# Altium PCB PCB_15122020_01CA.PcbDoc (part 2 of 5) (continued)
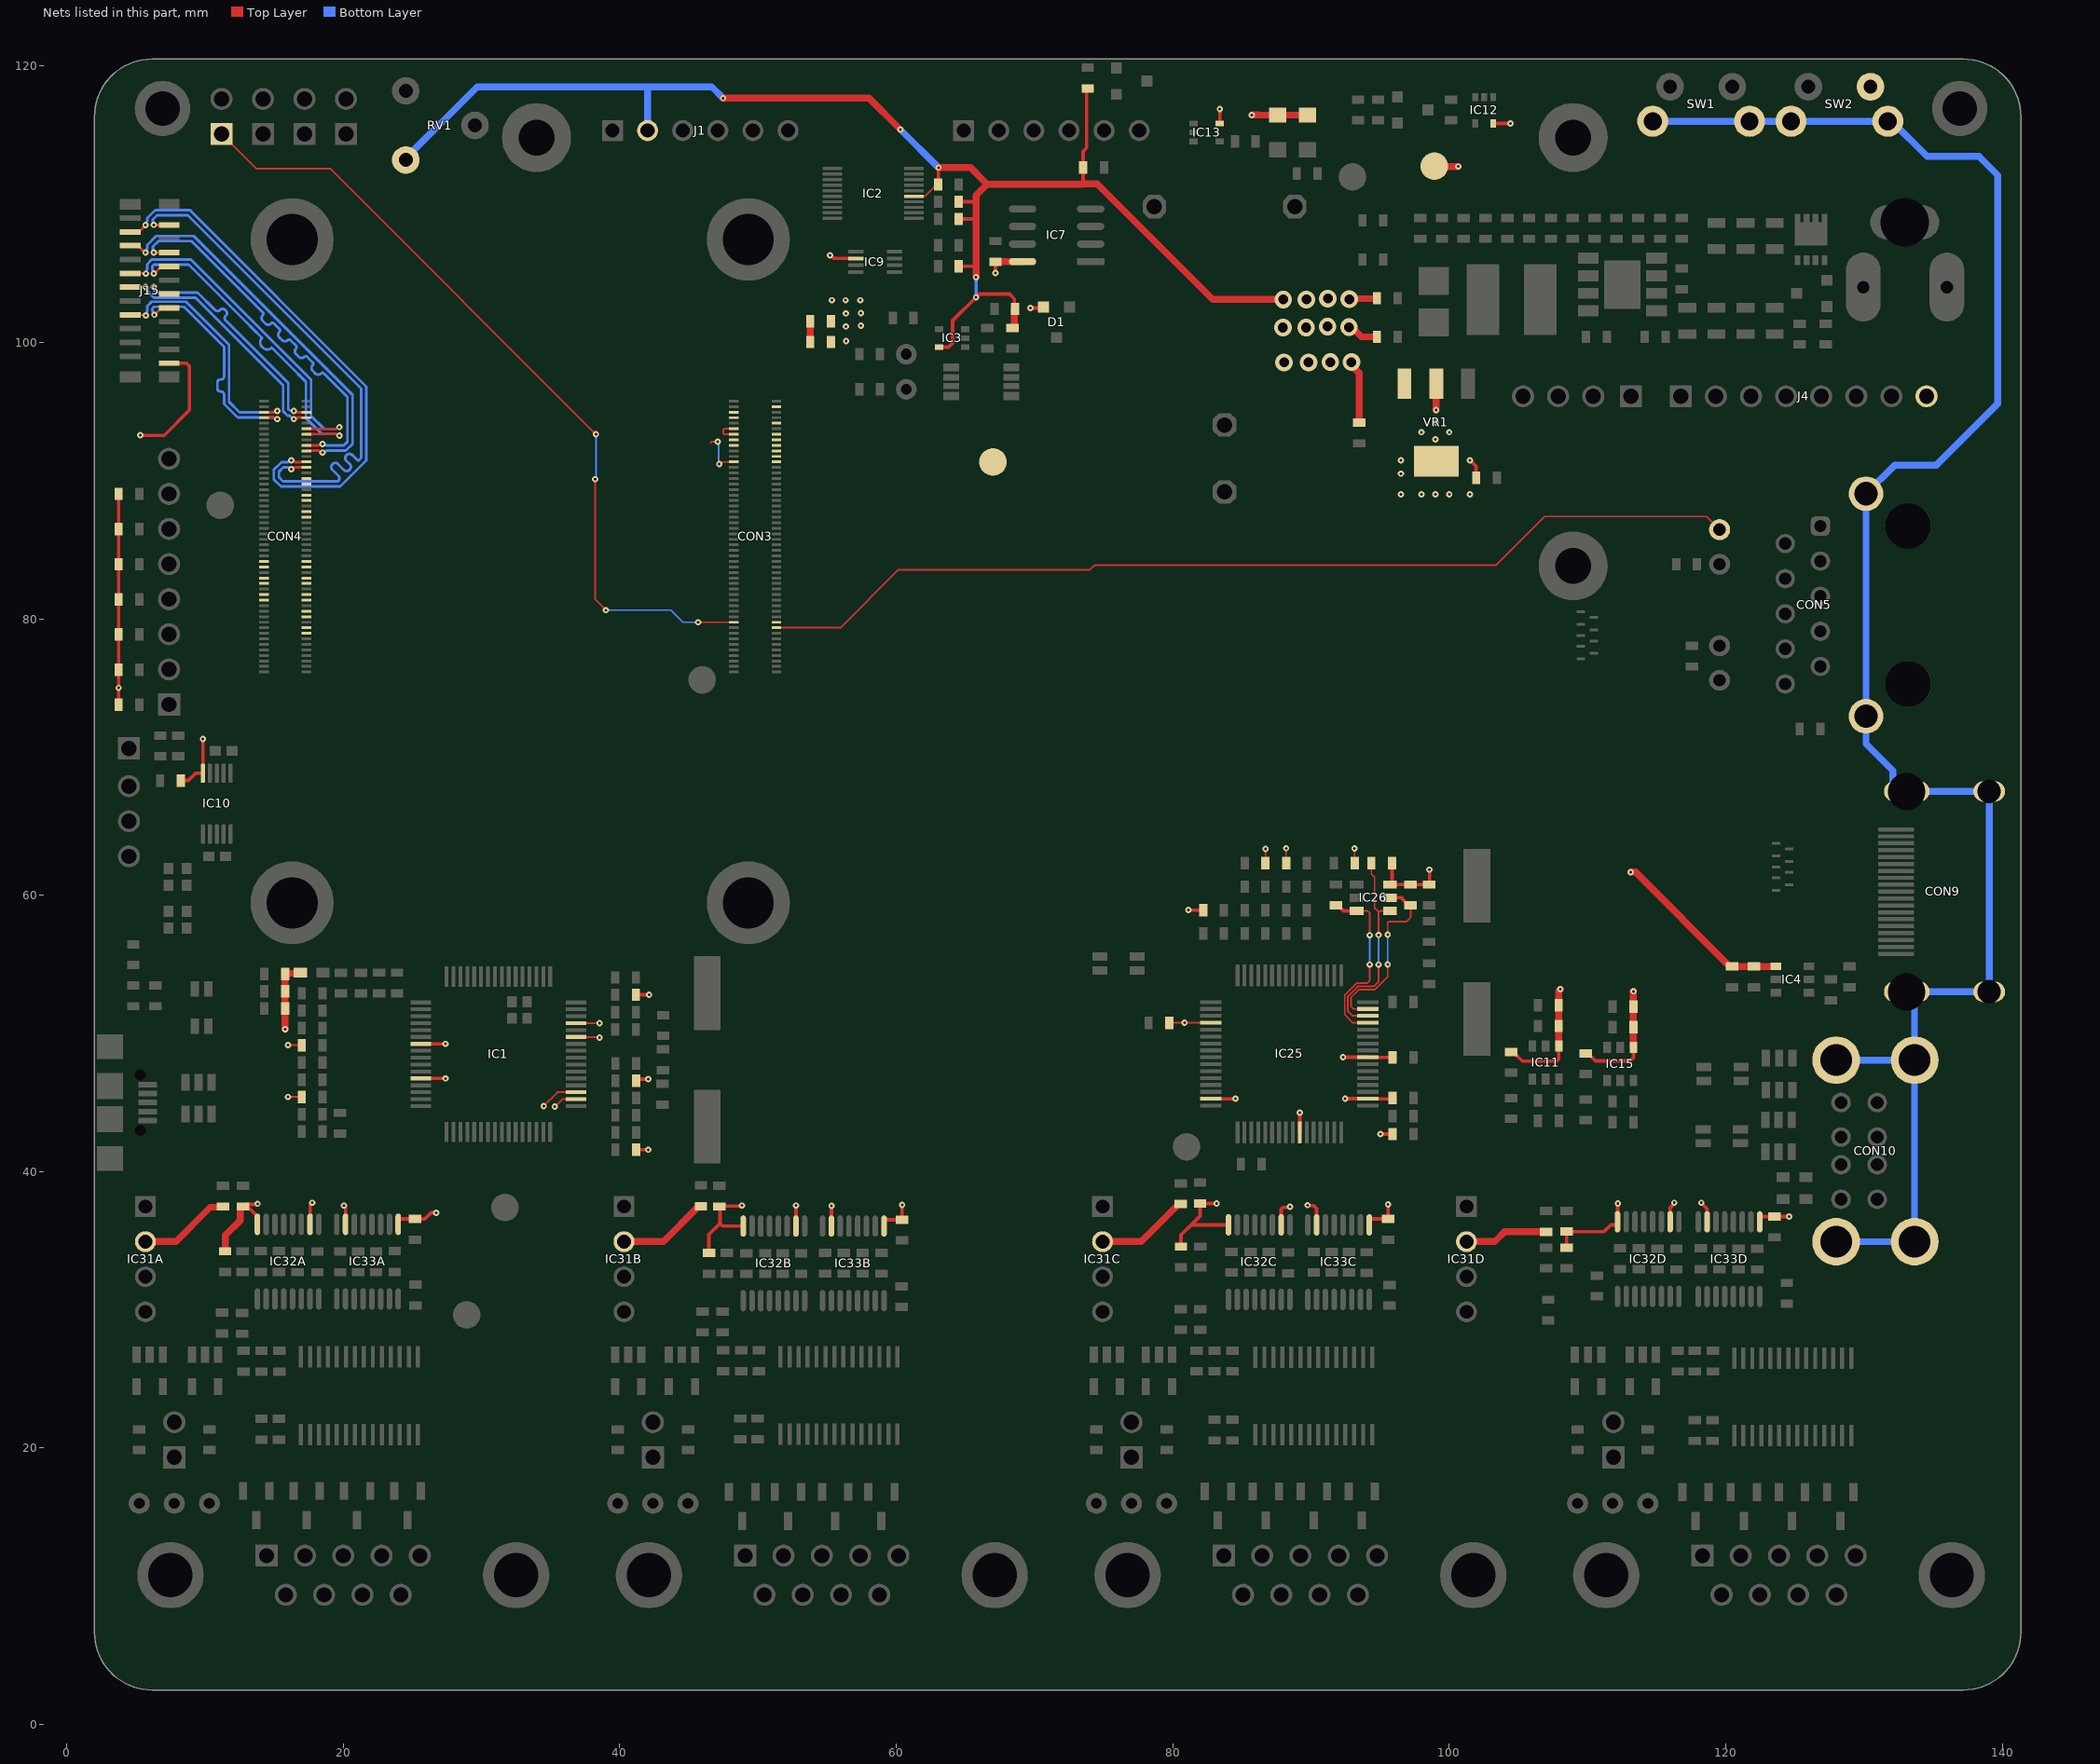
[diagram p4: the nets of this part, all layers, seen from the top]
## Part data (continued)
CON2: "CONN JACK R/A PCB 5.5X2.5MM", Manufacturer="KLS ELECTRONIC", Category="Connectors, Interconnects Barrel - Power Connectors", ComponentLink1Description=L-KLS1-DC-005A-2.0, ComponentLink1URL=https://cdn.ozdisan.com/ETicaret_Dosya/508049_4541161.pdf, Manufacturer Part Number=L-KLS1-DC-005A-2.0, Pricing 1="1 = 0,2 500 = 0.18", RoHS=No, Stock 1=1979, Supplier 1=Ozdisan, Supplier Part Number 1=L-KLS1-DC-005A-2.0
CON3 CON4: Contact Resistance=90mR, Current Rating=300mA, Housing Color=Black, Manufacturer=Hirose, Max Operating Temperature=85°C, Max Voltage Rating (AC)=30V, Min Operating Temperature=-35°C, Package Quantity=1, Supplier Part Number 1=H11615CT-ND, Category="Connectors, Interconnects Rectangular Connectors - Arrays, Edge Type, Mezzanine (Board to Board)", ComponentLink1Description=https://datasheet.ciiva.com/26948/getdatasheetpartid-441624-26948933.pdf?src-supplier=Verical, ComponentLink1URL=https://datasheet.ciiva.com/26948/getdatasheetpartid-441624-26948933.pdf?src-supplier=Verical, ComponentLink2Description=https://datasheet.ciiva.com/46408/1824826-46408894.pdf?src-supplier=Element14, ComponentLink2URL=https://datasheet.ciiva.com/46408/1824826-46408894.pdf?src-supplier=Element14, Connector Type=Receptacle, Contact Material=Bronze, Contact Plating=Gold, Depth=3.38mm, Gender=Receptacle, Housing Material=Polymer, Lead Free="Lead Free", Length=22.6mm, Manufacturer Part Number=DF40C-100DS-0.4V(51), Mated Stacking Heights=1.5mm, Max Current Rating=300mA, Mount="Surface Mount", Number of Contacts=100, Number of Positions=100, Number of Rows=2, Orientation=Straight, Packaging="Tape and Reel", Pitch=0.4mm, Pricing 1="1 = 1,73000, 10 = 1,56800, 25 = 1,47200, 50 = 1,40800, 100 = 1,34400, 250 = 1,21600, 500 = 1,12000, 1000 = 0,96000, 2500 = 0,89600 (USD)", Radiation Hardening=No, REACH SVHC=Unknown, RoHS=Yes, Stock 1=4110, Supplier 1=Digi-Key, Termination=SMD/SMT, Voltage Rating=30V
CON5: "MODULAR JACK THT R/A 8P8C (RJ45,Ethernet) GRAY", Manufacturer="KLS ELECTRONIC", Category="Connectors, Interconnects Modular Connectors - Jacks With Magnetics", ComponentLink1Description=Ozdisan, ComponentLink1URL=https://cdn.ozdisan.com/ETicaret_Dosya/528004_2611611.PDF, Manufacturer Part Number=L-KLS12-TL191-1X1-GY/G-0, Supplier 1=Özdisan, Supplier Part Number 1=L-KLS12-TL191-1X1-GY/G-0
CON9: "HDMI; 0.5mm; v2.1; RT Angle; w/o Mylar; w/o Flange; 19 Circuits", Manufacturer=Molex, Supplier Part Number 1=900-2086581101CT-ND, Category="Connectors, Interconnects HDMI Connectors", Manufacturer Part Number=208658-1101, Pricing 1="1 = 2,36000, 10 = 2,01000, 100 = 1,66040 (USD)", RoHS=No, Stock 1=1640, Supplier 1=Digi-Key
CON10: "CONN RCPT USB2.0 TYPEA STACK R/A", Color=White, Current Rating=1A, Flammability Rating="UL94 V-0", Insulation Resistance=1GR, Manufacturer="Wurth Electronics", Max Operating Temperature=105°C, Min Operating Temperature=-40°C, Package Quantity=100, Supplier Part Number 1=732-2107-ND, Voltage Rating=30V, Category="Connectors, Interconnects- USB, DVI, HDMI Connectors", ComponentLink1Description=https://datasheet.ciiva.com/1098/1442185-1098931.pdf?src-supplier=Element14, ComponentLink1URL=https://datasheet.ciiva.com/1098/1442185-1098931.pdf?src-supplier=Element14, ComponentLink2Description=https://datasheet.ciiva.com/6743/61400826021-6743655.pdf?src-supplier=Newark, ComponentLink2URL=https://datasheet.ciiva.com/6743/61400826021-6743655.pdf?src-supplier=Newark, ComponentLink3Description=https://datasheet.ciiva.com/4598/61400826021-88262-4598792.pdf?src-supplier=Mouser, ComponentLink3URL=https://datasheet.ciiva.com/4598/61400826021-88262-4598792.pdf?src-supplier=Mouser, ComponentLink4Description=https://datasheet.ciiva.com/11731/0900766b81023ab8-11731306.pdf?src-supplier=RSComponents, ComponentLink4URL=https://datasheet.ciiva.com/11731/0900766b81023ab8-11731306.pdf?src-supplier=RSComponents, Connector Type=USB,Socket, Contact Material="Copper Alloy", Contact Plating=Gold, Gender=Female, Length=15.34mm, Manufacturer Part Number=61400826021, Mount="Through Hole,Horizontal", Number of Contacts=8, Number of Ports=2, Number of Positions=8, Orientation=Vertical, Packaging=Tray, Pricing 1="1 = 1,98000, 10 = 1,74700, 50 = 1,64600, 100 = 1,47800, 250 = 1,34400 (USD)", REACH SVHC=Unknown, RoHS=Yes, Stock 1=5632, Supplier 1=Digi-Key, Termination=Solder, USB Standard="USB 2.0", Width=17mm
CON11: library part 10118192-0001LF, "CONN RCPT USB2.0 MICRO B SMD R/A", Color=Black, Current Rating=1.8A, Flammability Rating="UL94 V-0", Insulation Resistance=1GR, Manufacturer="Amphenol FCI", Max Operating Temperature=85°C, Max Voltage Rating (AC)=100V, Min Operating Temperature=-55°C, Package Quantity=1400, Supplier Part Number 1=609-4613-1-ND, Category="Connectors, Interconnects- USB, DVI, HDMI Connectors", ComponentLink1Description=https://datasheet.ciiva.com/26853/getdatasheetpartid-418041-26853891.pdf?src-supplier=Verical, ComponentLink1URL=https://datasheet.ciiva.com/26853/getdatasheetpartid-418041-26853891.pdf?src-supplier=Verical, ComponentLink2Description=https://datasheet.ciiva.com/851/10118192-851112.pdf?src-supplier=Digi-Key, ComponentLink2URL=https://datasheet.ciiva.com/851/10118192-851112.pdf?src-supplier=Digi-Key, ComponentLink3Description=https://datasheet.ciiva.com/4598/10118192ac-197249-4598796.pdf?src-supplier=Mouser, ComponentLink3URL=https://datasheet.ciiva.com/4598/10118192ac-197249-4598796.pdf?src-supplier=Mouser, Connector Type=USB, Contact Material="Copper Alloy", Contact Plating=Gold, Depth=5.57mm, Features=Shielded, Gender=Receptacle, Housing Material=Polymer, Lead Free="Lead Free", Length=7.86mm, Manufacturer Part Number=10118192-0001LF, Mount="Surface Mount", Number of Contacts=5, Number of Ports=1, Number of Terminals=5, Orientation="Right Angle", Packaging="Tape and Reel", Pitch=0.65mm, Pricing 1="1 = 0,42000, 10 = 0,39300, 25 = 0,35360, 50 = 0,31440, 100 = 0,30130, 250 = 0,27512, 500 = 0,26202 (USD)", Radiation Hardening=No, REACH SVHC="No SVHC", RoHS=Yes, Stock 1=114185, Supplier 1=Digi-Key, Termination=Solder, USB Standard="USB 2.0", Voltage Rating=100V
D1: "Diodes Inc BAT54C-7-F, Dual SMT Schottky Switching Diode, Common Cathode, 30V 200mA, 5ns, 3-Pin SOT-23", Average Rectified Current=200mA, Capacitance=10pF, Case/Package=SOT-23, Forward Voltage=800mV, Manufacturer=Diodes, Max Forward Surge Current (Ifsm)=600mA, Max Operating Temperature=150°C, Max Power Dissipation=200mW, Max Repetitive Reverse Voltage (Vrrm)=30V, Max Reverse Current=2uA, Min Operating Temperature=-65°C, Package Quantity=3000, Supplier Part Number 1=BAT54C-FDICT-ND, Category=Diode, ComponentLink1Description=https://datasheet.ciiva.com/904/ds11005-904592.pdf?src-supplier=Digi-Key, ComponentLink1URL=https://datasheet.ciiva.com/904/ds11005-904592.pdf?src-supplier=Digi-Key, ComponentLink2Description=https://datasheet.ciiva.com/15143/getdatasheetpartid-29884-15143959.pdf?src-supplier=Verical, ComponentLink2URL=https://datasheet.ciiva.com/15143/getdatasheetpartid-29884-15143959.pdf?src-supplier=Verical, ComponentLink3Description=https://datasheet.ciiva.com/22695/1911820-22695254.pdf?src-supplier=Element14, ComponentLink3URL=https://datasheet.ciiva.com/22695/1911820-22695254.pdf?src-supplier=Element14, Contact Plating=Tin,Matte, Current Rating=200mA, Element Configuration="Common Cathode", Forward Current=200mA, Height=1mm, Lead Free="Lead Free", Length=2.9mm, Manufacturer Part Number=BAT54C-7-F, Max Reverse Voltage (DC)=30V, Mount="Surface Mount", Number of Pins=3, Packaging="Tape and Reel", Peak Non-Repetitive Surge Current=600mA, Power Dissipation=200mW, Power Rating=200mW, Pricing 1="1 = 0,18000, 10 = 0,13000, 100 = 0,07040, 500 = 0,05530, 1000 = 0,03840 (USD)", Radiation Hardening=No, REACH SVHC="No SVHC", Reverse Recovery Time=5ns, RoHS=Yes, Stock 1=151567, Supplier 1=Digi-Key, Termination=SMD/SMT, Voltage Rating (DC)=30V, Weight=0.000282oz, Width=1.3mm
D2: "DIODE ZENER 12V 225MW SOD23-3", Case/Package=SOT-23-3, Manufacturer="ON Semiconductor", Max Operating Temperature=150°C, Max Power Dissipation=225mW, Max Reverse Leakage Current=1uA, Min Operating Temperature=-65°C, Package Quantity=10000, Power Dissipation=300mW, Supplier Part Number 1=MMBZ5242BLT3GOSCT-ND, Tolerance=5%, Zener Voltage=12V, Category="Diodes - Zener - Single", ComponentLink1Description=https://datasheet.ciiva.com/24020/mmbz5221blt1-d-24020127.pdf?src-supplier=Mouser, ComponentLink1URL=https://datasheet.ciiva.com/24020/mmbz5221blt1-d-24020127.pdf?src-supplier=Mouser, Element Configuration=Single, Impedance=30R, Lead Free="Lead Free", Manufacturer Part Number=MMBZ5242BLT3G, Number of Pins=3, Packaging="Tape and Reel", Pricing 1="1 = 0,13000, 10 = 0,09200, 100 = 0,04950, 500 = 0,03888, 1000 = 0,02700, 2000 = 0,02237, 5000 = 0,02115 (USD)", RoHS=Yes, Stock 1=39036, Supplier 1=Digi-Key, Voltage Tolerance=5%
DP1: "LCD MOD 16*2 80X36X10MM LEDB.LIGHT WHITE", Manufacturer=Winstar, Category=Display, Manufacturer Part Number=WHZ1602W2-TMI-CW#, Mount=Mekanik, Supplier 1=Özdisan, Supplier Part Number 1=WHZ1602W2-TMI-CW#
FR1 FR2 FR3: library part 742792641, "FERRITE BEAD 300 OHM 0603 1LN", Case/Package=SMD/SMT, Case Code (Imperial)=0603, Case Code (Metric)=1608, Current Rating=2A, DC Resistance (DCR)=150mR, Inductance=18nH, Manufacturer="Wurth Electronics", Max Operating Temperature=125°C, Min Operating Temperature=-55°C, Package Quantity=1, Supplier Part Number 1=732-1592-1-ND, Test Frequency=100MHz, Tolerance=25%, Category="Filters - Ferrite Beads and Chips", ComponentLink1Description=https://datasheet.ciiva.com/1013/742792641-1013888.pdf?src-supplier=Digi-Key, ComponentLink1URL=https://datasheet.ciiva.com/1013/742792641-1013888.pdf?src-supplier=Digi-Key, ComponentLink2Description=https://datasheet.ciiva.com/4940/742792641-72209-4940450.pdf?src-supplier=Mouser, ComponentLink2URL=https://datasheet.ciiva.com/4940/742792641-72209-4940450.pdf?src-supplier=Mouser, ComponentLink3Description=https://datasheet.ciiva.com/1466/1705830-1466501.pdf?src-supplier=Element14, ComponentLink3URL=https://datasheet.ciiva.com/1466/1705830-1466501.pdf?src-supplier=Element14, ComponentLink4Description=https://datasheet.ciiva.com/11800/0900766b80d2e072-11800409.pdf?src-supplier=RSComponents, ComponentLink4URL=https://datasheet.ciiva.com/11800/0900766b80d2e072-11800409.pdf?src-supplier=RSComponents, ComponentLink5Description=https://datasheet.ciiva.com/1013/742792641-1013889.pdf?src-supplier=Digi-Key, ComponentLink5URL=https://datasheet.ciiva.com/1013/742792641-1013889.pdf?src-supplier=Digi-Key, ComponentLink6Description=https://datasheet.ciiva.com/1466/1705830-1466502.pdf?src-supplier=Element14, ComponentLink6URL=https://datasheet.ciiva.com/1466/1705830-1466502.pdf?src-supplier=Element14, Core Material=Ferrite, Depth=0.8mm, Height=0.8mm, Impedance=300R, Lead Free="Lead Free", Length=1.6mm, Manufacturer Part Number=742792641, Material=Ferrite, Max Current Rating=2A, Max DC Current=2A, Mount="Surface Mount", Number of Lines=1, Packaging="Tape and Reel", Pricing 1="1 = 0,17000, 50 = 0,16800, 100 = 0,15500, 500 = 0,14800, 1000 = 0,14100, 2000 = 0,13400 (USD)", REACH SVHC=Unknown, RoHS=Yes, Stock 1=53671, Supplier 1=Digi-Key, Termination=SMD/SMT, Weight=0.000141oz, Width=0.8mm
FR17 FR18: library part 742792620, "100Ohm 100MHz 500mA 0603 SMD", Case/Package=SMD/SMT, Case Code (Imperial)=0603, Case Code (Metric)=1608, Current Rating=500mA, DC Resistance (DCR)=150mR, Manufacturer="Wurth Electronics", Max Operating Temperature=125°C, Min Operating Temperature=-55°C, Package Quantity=1, Supplier Part Number 1=732-1579-1-ND, Test Frequency=100MHz, Tolerance=25%, Category="Filters - Ferrite Beads and Chips", ComponentLink1Description=https://datasheet.ciiva.com/1013/742792620-1013392.pdf?src-supplier=Digi-Key, ComponentLink1URL=https://datasheet.ciiva.com/1013/742792620-1013392.pdf?src-supplier=Digi-Key, ComponentLink2Description=https://datasheet.ciiva.com/30489/0900766b812a674b-30489152.pdf?src-supplier=RSComponents, ComponentLink2URL=https://datasheet.ciiva.com/30489/0900766b812a674b-30489152.pdf?src-supplier=RSComponents, ComponentLink3Description=https://datasheet.ciiva.com/23762/742792620-23762994.pdf?src-supplier=Newark, ComponentLink3URL=https://datasheet.ciiva.com/23762/742792620-23762994.pdf?src-supplier=Newark, ComponentLink4Description=https://datasheet.ciiva.com/22711/530503-22711411.pdf?src-supplier=Element14, ComponentLink4URL=https://datasheet.ciiva.com/22711/530503-22711411.pdf?src-supplier=Element14, ComponentLink5Description=https://datasheet.ciiva.com/4940/742792620-81075-4940413.pdf?src-supplier=Mouser, ComponentLink5URL=https://datasheet.ciiva.com/4940/742792620-81075-4940413.pdf?src-supplier=Mouser, ComponentLink6Description=https://datasheet.ciiva.com/1013/742792620-1013393.pdf?src-supplier=Digi-Key, ComponentLink6URL=https://datasheet.ciiva.com/1013/742792620-1013393.pdf?src-supplier=Digi-Key, ComponentLink7Description=https://datasheet.ciiva.com/1013/742792620-1013394.pdf?src-supplier=Digi-Key, ComponentLink7URL=https://datasheet.ciiva.com/1013/742792620-1013394.pdf?src-supplier=Digi-Key, ComponentLink8Description=https://datasheet.ciiva.com/1466/530503-1466423.pdf?src-supplier=Element14, ComponentLink8URL=https://datasheet.ciiva.com/1466/530503-1466423.pdf?src-supplier=Element14, ComponentLink9Description=https://datasheet.ciiva.com/48698/001087044-da-01-ml-we-cbf-smd-ferrit-742792620-de-en-48698348.pdf?src-supplier=Conrad, ComponentLink9URL=https://datasheet.ciiva.com/48698/001087044-da-01-ml-we-cbf-smd-ferrit-742792620-de-en-48698348.pdf?src-supplier=Conrad, Depth=0.8mm, Height=0.8mm, Impedance=100R, Lead Free="Lead Free", Length=1.6mm, Manufacturer Part Number=742792620, Material=Ferrite, Max Current Rating=500mA, Max DC Current=500mA, Mount="Surface Mount", Number of Lines=1, Number of Pins=2, Packaging="Tape and Reel", Pricing 1="1 = 0,14000, 50 = 0,14000, 100 = 0,12900, 500 = 0,12300, 1000 = 0,11800, 2000 = 0,11200 (USD)", REACH SVHC=Unknown, Resistance=150mR, RoHS=Yes, Stock 1=4265, Supplier 1=Digi-Key, Termination=SMD/SMT, Weight=0.000141oz, Width=0.8mm
H2 H4: library part "2.5 mm Hole", "2.5mm hole", Category=Hole
IC1: "Low Speed/Full Speed/High Speed Compatible 4 Port Hub USB 2.0 1.8V/3.3V 64-Pin TQFP", Case/Package=TQFP, Dual Supply Voltage=3.3V, Manufacturer=Microchip, Max Operating Temperature=70°C, Max Supply Voltage=3.6V, Min Operating Temperature=0°C, Min Supply Voltage=3V, Operating Supply Current=295mA, Package Quantity=160, Supplier Part Number 1=USB2504-JT-ND, Category="Integrated Circuits - Interface - Controllers", ComponentLink1Description=https://datasheet.ciiva.com/6636/filehandler-aspxddocname-en562618-6636281.pdf?src-supplier=Digi-Key, ComponentLink1URL=https://datasheet.ciiva.com/6636/filehandler-aspxddocname-en562618-6636281.pdf?src-supplier=Digi-Key, Data Rate=480Mbps, Height=1.45mm, Interface=Serial, Lead Free="Lead Free", Length=10.2mm, Manufacturer Part Number=USB2504-JT, Mount="Surface Mount", Number of Pins=64, Number of Ports=4, Number of Transceivers=3, Operating Supply Voltage=3.3V, Packaging=Tray, Pricing 1="1 = 3,83000, 25 = 3,33000 (USD)", Radiation Hardening=No, REACH SVHC="No SVHC", RoHS=Yes, RoHS Compliant=Yes, Stock 1=112, Supplier 1=Digi-Key, Width=10.2mm
IC2: "8-bit 2.5- to 5.5-V I2C/SMBus I/O expander with interrupt 20-TVSOP -40 to 85", Case/Package=TFSOP, Frequency=100kHz, Manufacturer="Texas Instruments", Max Operating Temperature=85°C, Max Supply Voltage=6V, Min Operating Temperature=-40°C, Min Supply Voltage=2.5V, Package Quantity=1, Supplier Part Number 1=296-17364-1-ND, Category="Integrated Circuits (ICs) Interface - I/O Expanders", ComponentLink1Description=https://datasheet.ciiva.com/26238/pcf8574-26238107.pdf?src-supplier=Avnet+Europe, ComponentLink1URL=https://datasheet.ciiva.com/26238/pcf8574-26238107.pdf?src-supplier=Avnet+Europe, ComponentLink2Description=https://datasheet.ciiva.com/1780/pcf8574-1780220.pdf?src-supplier=Digi-Key, ComponentLink2URL=https://datasheet.ciiva.com/1780/pcf8574-1780220.pdf?src-supplier=Digi-Key, ComponentLink3Description=https://datasheet.ciiva.com/1780/pcf8574-1780221.pdf?src-supplier=Digi-Key, ComponentLink3URL=https://datasheet.ciiva.com/1780/pcf8574-1780221.pdf?src-supplier=Digi-Key, ComponentLink4Description=https://datasheet.ciiva.com/1780/pcf8574-1780222.pdf?src-supplier=Digi-Key, ComponentLink4URL=https://datasheet.ciiva.com/1780/pcf8574-1780222.pdf?src-supplier=Digi-Key, ComponentLink5Description=https://octopart.com/click/track?ai=10049&ct=datasheets&sig=0255648&at=physicalpart&sid=370&ppid=469516&hlid=30058353&src-supplier=TI+store, ComponentLink5URL=https://octopart.com/click/track?ai=10049&ct=datasheets&sig=0255648&at=physicalpart&sid=370&ppid=469516&hlid=30058353&src-supplier=TI+store, ComponentLink6Description=http://datasheet.octopart.com/PCF8574DGVR-Texas-Instruments-datasheet-149749.pdf?src-supplier=Mouser, ComponentLink6URL=http://datasheet.octopart.com/PCF8574DGVR-Texas-Instruments-datasheet-149749.pdf?src-supplier=Mouser, ComponentLink7Description=http://datasheet.octopart.com/PCF8574DGVR-Texas-Instruments-datasheet-10256140.pdf?src-supplier=TI+store, ComponentLink7URL=http://datasheet.octopart.com/PCF8574DGVR-Texas-Instruments-datasheet-10256140.pdf?src-supplier=TI+store, ComponentLink8Description=http://datasheet.octopart.com/PCF8574DGVR-Texas-Instruments-datasheet-10255521.pdf?src-supplier=TI+store, ComponentLink8URL=http://datasheet.octopart.com/PCF8574DGVR-Texas-Instruments-datasheet-10255521.pdf?src-supplier=TI+store, ComponentLink9Description=http://datasheet.octopart.com/PCF8574DGVR-Texas-Instruments-datasheet-36835222.pdf?src-supplier=TI+store, ComponentLink9URL=http://datasheet.octopart.com/PCF8574DGVR-Texas-Instruments-datasheet-36835222.pdf?src-supplier=TI+store, ComponentLink10Description=http://datasheet.octopart.com/PCF8574DGVR-Texas-Instruments-datasheet-41216774.pdf?src-supplier=TI+store, ComponentLink10URL=http://datasheet.octopart.com/PCF8574DGVR-Texas-Instruments-datasheet-41216774.pdf?src-supplier=TI+store, ComponentLink11Description=http://sigma.octopart.com/49249898/technical_drawing/Texas-Instruments-PCF8574DGVR.pdf?src-supplier=TI+store, ComponentLink11URL=http://sigma.octopart.com/49249898/technical_drawing/Texas-Instruments-PCF8574DGVR.pdf?src-supplier=TI+store, ComponentLink12Description=http://datasheet.octopart.com/PCF8574DGVR-Texas-Instruments-datasheet-24033.pdf?src-supplier=Digi-Key, ComponentLink12URL=http://datasheet.octopart.com/PCF8574DGVR-Texas-Instruments-datasheet-24033.pdf?src-supplier=Digi-Key, ComponentLink13Description=http://datasheet.octopart.com/PCF8574DGVR-Texas-Instruments-datasheet-113726.pdf?src-supplier=Sierra+IC, ComponentLink13URL=http://datasheet.octopart.com/PCF8574DGVR-Texas-Instruments-datasheet-113726.pdf?src-supplier=Sierra+IC, ComponentLink14Description=http://datasheet.octopart.com/PCF8574DGVR-Texas-Instruments-datasheet-14134264.pdf?src-supplier=IIIC, ComponentLink14URL=http://datasheet.octopart.com/PCF8574DGVR-Texas-Instruments-datasheet-14134264.pdf?src-supplier=IIIC, ComponentLink15Description=http://datasheet.octopart.com/PCF8574DGVR-Texas-Instruments-datasheet-16079619.pdf?src-supplier=Factory+Futures, ComponentLink15URL=http://datasheet.octopart.com/PCF8574DGVR-Texas-Instruments-datasheet-16079619.pdf?src-supplier=Factory+Futures, ComponentLink16Description=http://datasheet.octopart.com/PCF8574DGVR-Texas-Instruments-datasheet-101600699.pdf?src-supplier=Upverter, ComponentLink16URL=http://datasheet.octopart.com/PCF8574DGVR-Texas-Instruments-datasheet-101600699.pdf?src-supplier=Upverter, Interface=I2C, Lead Free="Lead Free", Manufacturer Part Number=PCF8574DGVR, Max Frequency=100kHz, Mount="Surface Mount", Number of I/Os=8, Number of Outputs=8, Number of Pins=20, Packaging="Tape and Reel", Pricing 1="1 = 1,67000, 10 = 1,50300, 25 = 1,41760 (USD)", RoHS Compliant=Yes, Stock 1=34, Supplier 1=Digi-Key, Weight=0.002123oz
IC3 IC12 IC13: "Buffer/Driver 1-CH Non-Inverting Open Drain CMOS 5-Pin SOT-353 T/R", Case/Package=SOT-353, Low Level Output Current=32mA, Manufacturer=Diodes, Max Operating Temperature=85°C, Max Supply Voltage=5.5V, Min Operating Temperature=-40°C, Min Supply Voltage=1.65V, Operating Supply Current=10uA, Package Quantity=3000, Quiescent Current=200uA, Supplier Part Number 1=74LVC1G07SE-7DICT-ND, Category="Integrated Circuits (ICs) Logic - Buffers, Drivers, Receivers, Transceivers", ComponentLink1Description=https://datasheet.ciiva.com/8260/74lvc1g07-8260976.pdf?src-supplier=Avnet, ComponentLink1URL=https://datasheet.ciiva.com/8260/74lvc1g07-8260976.pdf?src-supplier=Avnet, ComponentLink2Description=https://datasheet.ciiva.com/26856/getdatasheetpartid-302086-26856250.pdf?src-supplier=Verical, ComponentLink2URL=https://datasheet.ciiva.com/26856/getdatasheetpartid-302086-26856250.pdf?src-supplier=Verical, ComponentLink3Description=https://datasheet.ciiva.com/1832/74lvc1g07-1832566.pdf?src-supplier=Digi-Key, ComponentLink3URL=https://datasheet.ciiva.com/1832/74lvc1g07-1832566.pdf?src-supplier=Digi-Key, ComponentLink4Description=https://datasheet.ciiva.com/1832/74lvc1g07-1832567.pdf?src-supplier=Digi-Key, ComponentLink4URL=https://datasheet.ciiva.com/1832/74lvc1g07-1832567.pdf?src-supplier=Digi-Key, ComponentLink5Description=https://datasheet.ciiva.com/1832/74lvc1g07-1832568.pdf?src-supplier=Digi-Key, ComponentLink5URL=https://datasheet.ciiva.com/1832/74lvc1g07-1832568.pdf?src-supplier=Digi-Key, ComponentLink6Description=https://datasheet.ciiva.com/1506/74lvc1g07-1506202.pdf?src-supplier=Element14, ComponentLink6URL=https://datasheet.ciiva.com/1506/74lvc1g07-1506202.pdf?src-supplier=Element14, ComponentLink7Description=https://datasheet.ciiva.com/17291/74lvc1g07-17291948.pdf?src-supplier=Avnet+Europe, ComponentLink7URL=https://datasheet.ciiva.com/17291/74lvc1g07-17291948.pdf?src-supplier=Avnet+Europe, ComponentLink8Description=https://datasheet.ciiva.com/8305/74lvc1g07-8305775.pdf?src-supplier=Avnet, ComponentLink8URL=https://datasheet.ciiva.com/8305/74lvc1g07-8305775.pdf?src-supplier=Avnet, Height=1mm, Lead Free="Lead Free", Length=2.2mm, Logic Function=Buffer,Inverting, Manufacturer Part Number=74LVC1G07SE-7, Mount="Surface Mount", Number of Bits per Element=1, Number of Channels=1, Number of Elements=1, Number of Gates=1, Number of Input Lines=1, Number of Inputs=1, Number of Output Lines=1, Number of Outputs=1, Number of Pins=5, Packaging="Tape and Reel", Polarity=Inverting,Non-Inverting, Pricing 1="1 = 0,26000, 10 = 0,21500, 25 = 0,18000, 100 = 0,11400, 250 = 0,08800, 500 = 0,07500, 1000 = 0,05100 (USD)", Propagation Delay=8.5ns, Radiation Hardening=No, REACH SVHC="No SVHC", RoHS=Yes, Stock 1=16164, Supplier 1=Digi-Key, Turn-On Delay Time=8.5ns, Width=1.35mm
IC4 IC11 IC15: "Power Switch/Driver 1:1 P-Channel 2.1A SOT-23-6", Manufacturer=Diodes, Supplier Part Number 1=31-AP22653W6-7CT-ND, Category="Integrated Circuits - PMIC - Power Distribution Switches, Load Drivers", Manufacturer Part Number=AP22653W6-7, Pricing 1="1 = 0,42000, 10 = 0,35600, 25 = 0,33200, 100 = 0,24670, 250 = 0,20880, 500 = 0,19930, 1000 = 0,14710 (USD)", RoHS=No, Stock 1=12659, Supplier 1=Digi-Key
IC5: "Real time clock, TSSOP-8,", Case/Package=TSSOP, Manufacturer="NXP Semiconductors", Max Operating Temperature=85°C, Max Supply Voltage=5.5V, Min Operating Temperature=-40°C, Min Supply Voltage=900mV, Supplier Part Number 1=568-12404-1-ND, Category="Integrated Circuits (ICs) Clock/Timing - Real Time Clocks", ComponentLink1Description=http://www.farnell.com/datasheets/2014362.pdf?src-supplier=Farnell, ComponentLink1URL=http://www.farnell.com/datasheets/2014362.pdf?src-supplier=Farnell, ComponentLink2Description=https://www.nxp.com/docs/en/data-sheet/PCF85063A.pdf?src-supplier=Digi-Key, ComponentLink2URL=https://www.nxp.com/docs/en/data-sheet/PCF85063A.pdf?src-supplier=Digi-Key, ComponentLink3Description=http://www.nxp.com/documents/data_sheet/PCF85063A.pdf?src-supplier=Avnet+Asia, ComponentLink3URL=http://www.nxp.com/documents/data_sheet/PCF85063A.pdf?src-supplier=Avnet+Asia, ComponentLink4Description=http://www.nxp.com/documents/data_sheet/PCF85063A.pdf?src-supplier=Avnet, ComponentLink4URL=http://www.nxp.com/documents/data_sheet/PCF85063A.pdf?src-supplier=Avnet, Contact Plating=Gold, Date Format=YY-MM-DD-dd, Interface=I2C,Serial,2-Wire, Lead Free="Lead Free", Logic Function=Clock, Manufacturer Part Number=PCF85063ATT/AJ, Mount="Surface Mount", Number of Pins=8, Packaging="Tape and Reel", Pricing 1="1 = 0,83000, 10 = 0,73300, 25 = 0,68880, 100 = 0,56220, 250 = 0,52216, 500 = 0,44440, 1000 = 0,35552 (USD)", RoHS=Yes, Stock 1=34322, Supplier 1=Digi-Key, Time Format="HH:MM:SS (12/24 hr)"
IC6: library part CM4, Category=Module
IC7: "SENSOR DIGITAL -55C-125C 8SOIC", Case/Package=SOIC, Manufacturer="TI National Semiconductor", Max Operating Temperature=125°C, Max Supply Voltage=5.5V, Min Operating Temperature=-55°C, Min Supply Voltage=2.7V, Operating Supply Current=280uA, Output Current=1uA, Package Quantity=2500, Quiescent Current=500uA, Supplier Part Number 1=LM75AIMX/NOPBCT-ND, Category="Sensors, Transducers", ComponentLink1Description=https://datasheet.ciiva.com/3277/lm75a-3277942.pdf?src-supplier=Avnet, ComponentLink1URL=https://datasheet.ciiva.com/3277/lm75a-3277942.pdf?src-supplier=Avnet, ComponentLink2Description=https://datasheet.ciiva.com/46417/1841923-46417014.pdf?src-supplier=Element14, ComponentLink2URL=https://datasheet.ciiva.com/46417/1841923-46417014.pdf?src-supplier=Element14, ComponentLink3Description=https://datasheet.ciiva.com/6598/lm75a-6598537.pdf?src-supplier=Digi-Key, ComponentLink3URL=https://datasheet.ciiva.com/6598/lm75a-6598537.pdf?src-supplier=Digi-Key, ComponentLink4Description=https://datasheet.ciiva.com/6598/lm75a-6598538.pdf?src-supplier=Digi-Key, ComponentLink4URL=https://datasheet.ciiva.com/6598/lm75a-6598538.pdf?src-supplier=Digi-Key, ComponentLink5Description=https://datasheet.ciiva.com/6598/lm75a-6598539.pdf?src-supplier=Digi-Key, ComponentLink5URL=https://datasheet.ciiva.com/6598/lm75a-6598539.pdf?src-supplier=Digi-Key, Contact Plating=Tin, Interface=I2C,SMBus,2-Wire, Lead Free="Lead Free", Manufacturer Part Number=LM75AIMX/NOPB, Max Supply Voltage (DC)=5.5V, Min Supply Voltage (DC)=2.7V, Mount="Surface Mount", Number of Bits=9, Number of Pins=8, Output Type=I2C,Digital, Packaging="Tape and Reel", Pricing 1="1 = 1,81000, 5 = 1,74200, 10 = 1,41600, 25 = 1,21960, 50 = 1,05640, 100 = 0,95830, 500 = 0,80586, 1000 = 0,71874 (USD)", Radiation Hardening=No, REACH SVHC="No SVHC", Resolution=9b, RoHS=Yes, Stock 1=21295, Supplier 1=Digi-Key
IC8: "Buck Switching Regulator IC Positive Adjustable 0.8V 1 Output 5A 8-SOIC (0.154\", 3.90mm Width) Exposed Pad", Manufacturer=Diodes, Supplier Part Number 1=31-AP64501SP-13CT-ND, Category="Integrated Circuits - PMIC - Voltage Regulators - DC DC Switching Regulators", Manufacturer Part Number=AP64501SP-13, Pricing 1="1 = 2,30000, 10 = 2,06700, 25 = 1,95000, 100 = 1,56000, 250 = 1,36500, 500 = 1,32600, 1000 = 1,05300 (USD)", RoHS=No, Stock 1=17836, Supplier 1=Digi-Key
IC9: "TEXAS INSTRUMENTS - PCA9306DCUR - 2 BIT VOLTAGE LEVEL TRANSLATOR VSSOP8", Case/Package=VSSOP, Manufacturer="Texas Instruments", Max Operating Temperature=85°C, Max Supply Voltage=5V, Min Operating Temperature=-40°C, Min Supply Voltage=0uV, Output Current=64mA, Package Quantity=1, Supplier Part Number 1=296-17988-1-ND, Category="Integrated Circuits (ICs) Logic - Translators, Level Shifters", ComponentLink1Description=https://datasheet.ciiva.com/36526/2030035-36526265.pdf?src-supplier=Jameco, ComponentLink1URL=https://datasheet.ciiva.com/36526/2030035-36526265.pdf?src-supplier=Jameco, ComponentLink2Description=https://datasheet.ciiva.com/1899/pca9306-1899329.pdf?src-supplier=Digi-Key, ComponentLink2URL=https://datasheet.ciiva.com/1899/pca9306-1899329.pdf?src-supplier=Digi-Key, ComponentLink3Description=https://datasheet.ciiva.com/1899/pca9306-1899330.pdf?src-supplier=Digi-Key, ComponentLink3URL=https://datasheet.ciiva.com/1899/pca9306-1899330.pdf?src-supplier=Digi-Key, ComponentLink4Description=https://datasheet.ciiva.com/1899/pca9306-1899331.pdf?src-supplier=Digi-Key, ComponentLink4URL=https://datasheet.ciiva.com/1899/pca9306-1899331.pdf?src-supplier=Digi-Key, ComponentLink5Description=https://datasheet.ciiva.com/14287/pca9306-14287462.pdf?src-supplier=Avnet, ComponentLink5URL=https://datasheet.ciiva.com/14287/pca9306-14287462.pdf?src-supplier=Avnet, ComponentLink6Description=https://datasheet.ciiva.com/1508/1815321-1508635.pdf?src-supplier=Element14, ComponentLink6URL=https://datasheet.ciiva.com/1508/1815321-1508635.pdf?src-supplier=Element14, ComponentLink7Description=https://datasheet.ciiva.com/1508/1862428-1508795.pdf?src-supplier=Element14, ComponentLink7URL=https://datasheet.ciiva.com/1508/1862428-1508795.pdf?src-supplier=Element14, Contact Plating=Gold, Height=0.85mm, Lead Free="Lead Free", Length=2.3mm, Logic Function=Translator, Manufacturer Part Number=PCA9306DCUR, Number of Bits=2, Number of Channels=2, Number of Inputs=2, Number of Outputs=2, Number of Pins=8, Output Type=I2C, Packaging="Tape and Reel", Pricing 1="1 = 0,71000, 10 = 0,62700, 25 = 0,58920, 100 = 0,48070, 250 = 0,44652, 500 = 0,38000, 1000 = 0,30400 (USD)", Propagation Delay=1.4ns, Radiation Hardening=No, REACH SVHC="No SVHC", RoHS=Yes, Stock 1=19235, Supplier 1=Digi-Key, Termination=SMD/SMT, Turn-On Delay Time=1.2ns, Weight=0.000339oz, Width=2mm
IC10: "FAIRCHILD SEMICONDUCTOR         FSUSB20MUX             USB Interface, Switch, USB 2.0, 3 V, 3.6 V, MSOP, 10 Pins", Case/Package=MSOP, Drain to Source Resistance=4.5R, Manufacturer="ON Semiconductor / Fairchild", Max Operating Temperature=85°C, Max Supply Voltage=3.6V, Min Operating Temperature=-40°C, Min Supply Voltage=3V, On-State Resistance=6.5R, Package Quantity=4000, Supplier Part Number 1=FSUSB20MUXCT-ND, Bandwidth=750MHz, Category="Integrated Circuits - Interface - Analog Switches - Special Purpose", ComponentLink1Description=https://datasheet.ciiva.com/15127/getdatasheetpartid-194036-15127411.pdf?src-supplier=Verical, ComponentLink1URL=https://datasheet.ciiva.com/15127/getdatasheetpartid-194036-15127411.pdf?src-supplier=Verical, ComponentLink2Description=https://datasheet.ciiva.com/1561/1639818-1561411.pdf?src-supplier=Farnell, ComponentLink2URL=https://datasheet.ciiva.com/1561/1639818-1561411.pdf?src-supplier=Farnell, ComponentLink3Description=https://datasheet.ciiva.com/1505/1639818-1505277.pdf?src-supplier=Element14, ComponentLink3URL=https://datasheet.ciiva.com/1505/1639818-1505277.pdf?src-supplier=Element14, ComponentLink4Description=https://datasheet.ciiva.com/1504/1639818-1504943.pdf?src-supplier=Element14, ComponentLink4URL=https://datasheet.ciiva.com/1504/1639818-1504943.pdf?src-supplier=Element14, ComponentLink5Description=https://datasheet.ciiva.com/6638/fsusb20-6638645.pdf?src-supplier=Digi-Key, ComponentLink5URL=https://datasheet.ciiva.com/6638/fsusb20-6638645.pdf?src-supplier=Digi-Key, ComponentLink6Description=https://datasheet.ciiva.com/6638/fsusb20-6638599.pdf?src-supplier=Digi-Key, ComponentLink6URL=https://datasheet.ciiva.com/6638/fsusb20-6638599.pdf?src-supplier=Digi-Key, ComponentLink7Description=https://datasheet.ciiva.com/6638/fsusb20-6638650.pdf?src-supplier=Digi-Key, ComponentLink7URL=https://datasheet.ciiva.com/6638/fsusb20-6638650.pdf?src-supplier=Digi-Key, ComponentLink8Description=https://datasheet.ciiva.com/11576/fsusb20-11576253.pdf?src-supplier=Avnet, ComponentLink8URL=https://datasheet.ciiva.com/11576/fsusb20-11576253.pdf?src-supplier=Avnet, ComponentLink9Description=https://datasheet.ciiva.com/26228/fsusb20-26228270.pdf?src-supplier=Avnet+Europe, ComponentLink9URL=https://datasheet.ciiva.com/26228/fsusb20-26228270.pdf?src-supplier=Avnet+Europe, Data Rate=480Mbps, Lead Free="Lead Free", Manufacturer Part Number=FSUSB20MUX, Mount="Surface Mount", Number of Channels=1, Number of Inputs=4, Number of Outputs=2, Number of Pins=10, Number of Ports=1, Packaging="Tape and Reel", Pricing 1="1 = 1,97000, 10 = 1,76700, 25 = 1,66720, 100 = 1,42040, 250 = 1,33368, 500 = 1,16698, 1000 = 1,10092 (USD)", Propagation Delay=0.25ns, Radiation Hardening=No, REACH SVHC="No SVHC", RoHS=Yes, RoHS Compliant=Yes, Stock 1=7192, Supplier 1=Digi-Key, Supply Type=Single, Termination=SMD/SMT, Throw Configuration=DPST, Turn-Off Delay Time=2.2ns, Turn-On Delay Time=4.8ns, USB Standard="USB 2.0", Weight=0.1125g
IC14A IC14B IC14C IC14D: "3-V to 5.5-V Multichannel RS-232 Line Driver/Receiver With +/-15-kV (HBM) ESD Protection 28-TSSOP -40 to 85", Case/Package=TSSOP, Manufacturer="Texas Instruments", Max Operating Temperature=85°C, Max Supply Voltage=5.5V, Min Operating Temperature=-40°C, Min Supply Voltage=3V, Nominal Supply Current=1mA, Operating Supply Voltage=5V, Package Quantity=1, Supplier Part Number 1=595-TRS3243IPWR, Category="Integrated Circuits-Interface - Drivers, Receivers, Transceivers", ComponentLink1Description=https://datasheet.ciiva.com/26913/getdatasheetpartid-247119-26913223.pdf?src-supplier=Verical, ComponentLink1URL=https://datasheet.ciiva.com/26913/getdatasheetpartid-247119-26913223.pdf?src-supplier=Verical, ComponentLink2Description=https://datasheet.ciiva.com/1705/trs3243-1705475.pdf?src-supplier=Digi-Key, ComponentLink2URL=https://datasheet.ciiva.com/1705/trs3243-1705475.pdf?src-supplier=Digi-Key, ComponentLink3Description=https://datasheet.ciiva.com/1705/trs3243-1705476.pdf?src-supplier=Digi-Key, ComponentLink3URL=https://datasheet.ciiva.com/1705/trs3243-1705476.pdf?src-supplier=Digi-Key, ComponentLink4Description=https://datasheet.ciiva.com/1705/trs3243-1705477.pdf?src-supplier=Digi-Key, ComponentLink4URL=https://datasheet.ciiva.com/1705/trs3243-1705477.pdf?src-supplier=Digi-Key, ComponentLink5Description=https://octopart.com/click/track?ai=10049&ct=datasheets&sig=01ed8e4&at=physicalpart&sid=370&ppid=7097462&hlid=30260159&src-supplier=TI+store, ComponentLink5URL=https://octopart.com/click/track?ai=10049&ct=datasheets&sig=01ed8e4&at=physicalpart&sid=370&ppid=7097462&hlid=30260159&src-supplier=TI+store, ComponentLink6Description=http://datasheet.octopart.com/TRS3243IPWR-Texas-Instruments-datasheet-149751.pdf?src-supplier=TI+store, ComponentLink6URL=http://datasheet.octopart.com/TRS3243IPWR-Texas-Instruments-datasheet-149751.pdf?src-supplier=TI+store, ComponentLink7Description=http://datasheet.octopart.com/TRS3243IPWR-Texas-Instruments-datasheet-10256493.pdf?src-supplier=TI+store, ComponentLink7URL=http://datasheet.octopart.com/TRS3243IPWR-Texas-Instruments-datasheet-10256493.pdf?src-supplier=TI+store, ComponentLink8Description=http://datasheet.octopart.com/TRS3243IPWR-Texas-Instruments-datasheet-41218929.pdf?src-supplier=TI+store, ComponentLink8URL=http://datasheet.octopart.com/TRS3243IPWR-Texas-Instruments-datasheet-41218929.pdf?src-supplier=TI+store, ComponentLink9Description=http://sigma.octopart.com/49249796/technical_drawing/Texas-Instruments-TRS3243IPWR.pdf?src-supplier=TI+store, ComponentLink9URL=http://sigma.octopart.com/49249796/technical_drawing/Texas-Instruments-TRS3243IPWR.pdf?src-supplier=TI+store, Data Rate=250Kbps, Lead Free="Lead Free", Logic Function=Receiver, Manufacturer Part Number=TRS3243IPWR, Mount="Surface Mount", Number of Drivers=3, Number of Pins=28, Number of Receivers=5, Number of Transceivers=1, Number of Transmitters=3, Packaging="Tape and Reel", Pricing 1="1 = 1,72000, 10 = 1,46000, 100 = 1,17000, 250 = 1,03000, 500 = 0,99100, 1000 = 0,78700 (USD)", Radiation Hardening=No, Stock 1=2373, Supplier 1=Mouser, Weight=0.004145oz
IC25: library part FT4232HL-TRAY, "IC USB HS QUAD UART/SYNC 64-LQFP", Case/Package=LQFP, Manufacturer=FTDI, Max Operating Temperature=85°C, Max Supply Voltage=3.63V, Min Operating Temperature=-40°C, Min Supply Voltage=1.62V, Operating Supply Current=70mA, Operating Supply Voltage=3.3V, Package Quantity=160, Supplier Part Number 1=768-1309-ND, Category="Integrated Circuits - Interface - Controllers", ComponentLink1Description=https://datasheet.ciiva.com/26852/getdatasheetpartid-653404-26852859.pdf?src-supplier=Verical, ComponentLink1URL=https://datasheet.ciiva.com/26852/getdatasheetpartid-653404-26852859.pdf?src-supplier=Verical, ComponentLink2Description=https://datasheet.ciiva.com/26841/ft4232hl-tray-26841239.pdf?src-supplier=IIIC, ComponentLink2URL=https://datasheet.ciiva.com/26841/ft4232hl-tray-26841239.pdf?src-supplier=IIIC, ComponentLink3Description=https://datasheet.ciiva.com/1787/ds-ft4232h-1787139.pdf?src-supplier=Digi-Key, ComponentLink3URL=https://datasheet.ciiva.com/1787/ds-ft4232h-1787139.pdf?src-supplier=Digi-Key, Interface=UART, Manufacturer Part Number=FT4232HL-TRAY, Mount="Surface Mount", Number of Channels=1, Number of Pins=64, Packaging=Tray, Pricing 1="1 = 8,30000, 10 = 8,09000, 50 = 7,46000, 100 = 7,14000, 500 = 6,88002, 1000 = 6,08000, 2500 = 5,28299 (USD)", Radiation Hardening=No, RoHS=Yes, Stock 1=1575, Supplier 1=Digi-Key